# Altium PCB EDA-03518-V3-0_pcb.pcbdoc (part 2 of 14)
Units mm, origin at the board's own origin, x right, y up, seen from the top; angles counter-clockwise.
Board outline 220 x 230 mm, 8 copper layers (Top Layer, L2P, L3, L4P, L5P, L6, L7P, Bottom Layer), stack 2.18 mm thick; 1190 components, 1445 nets, 5955 pads, 2149 vias.
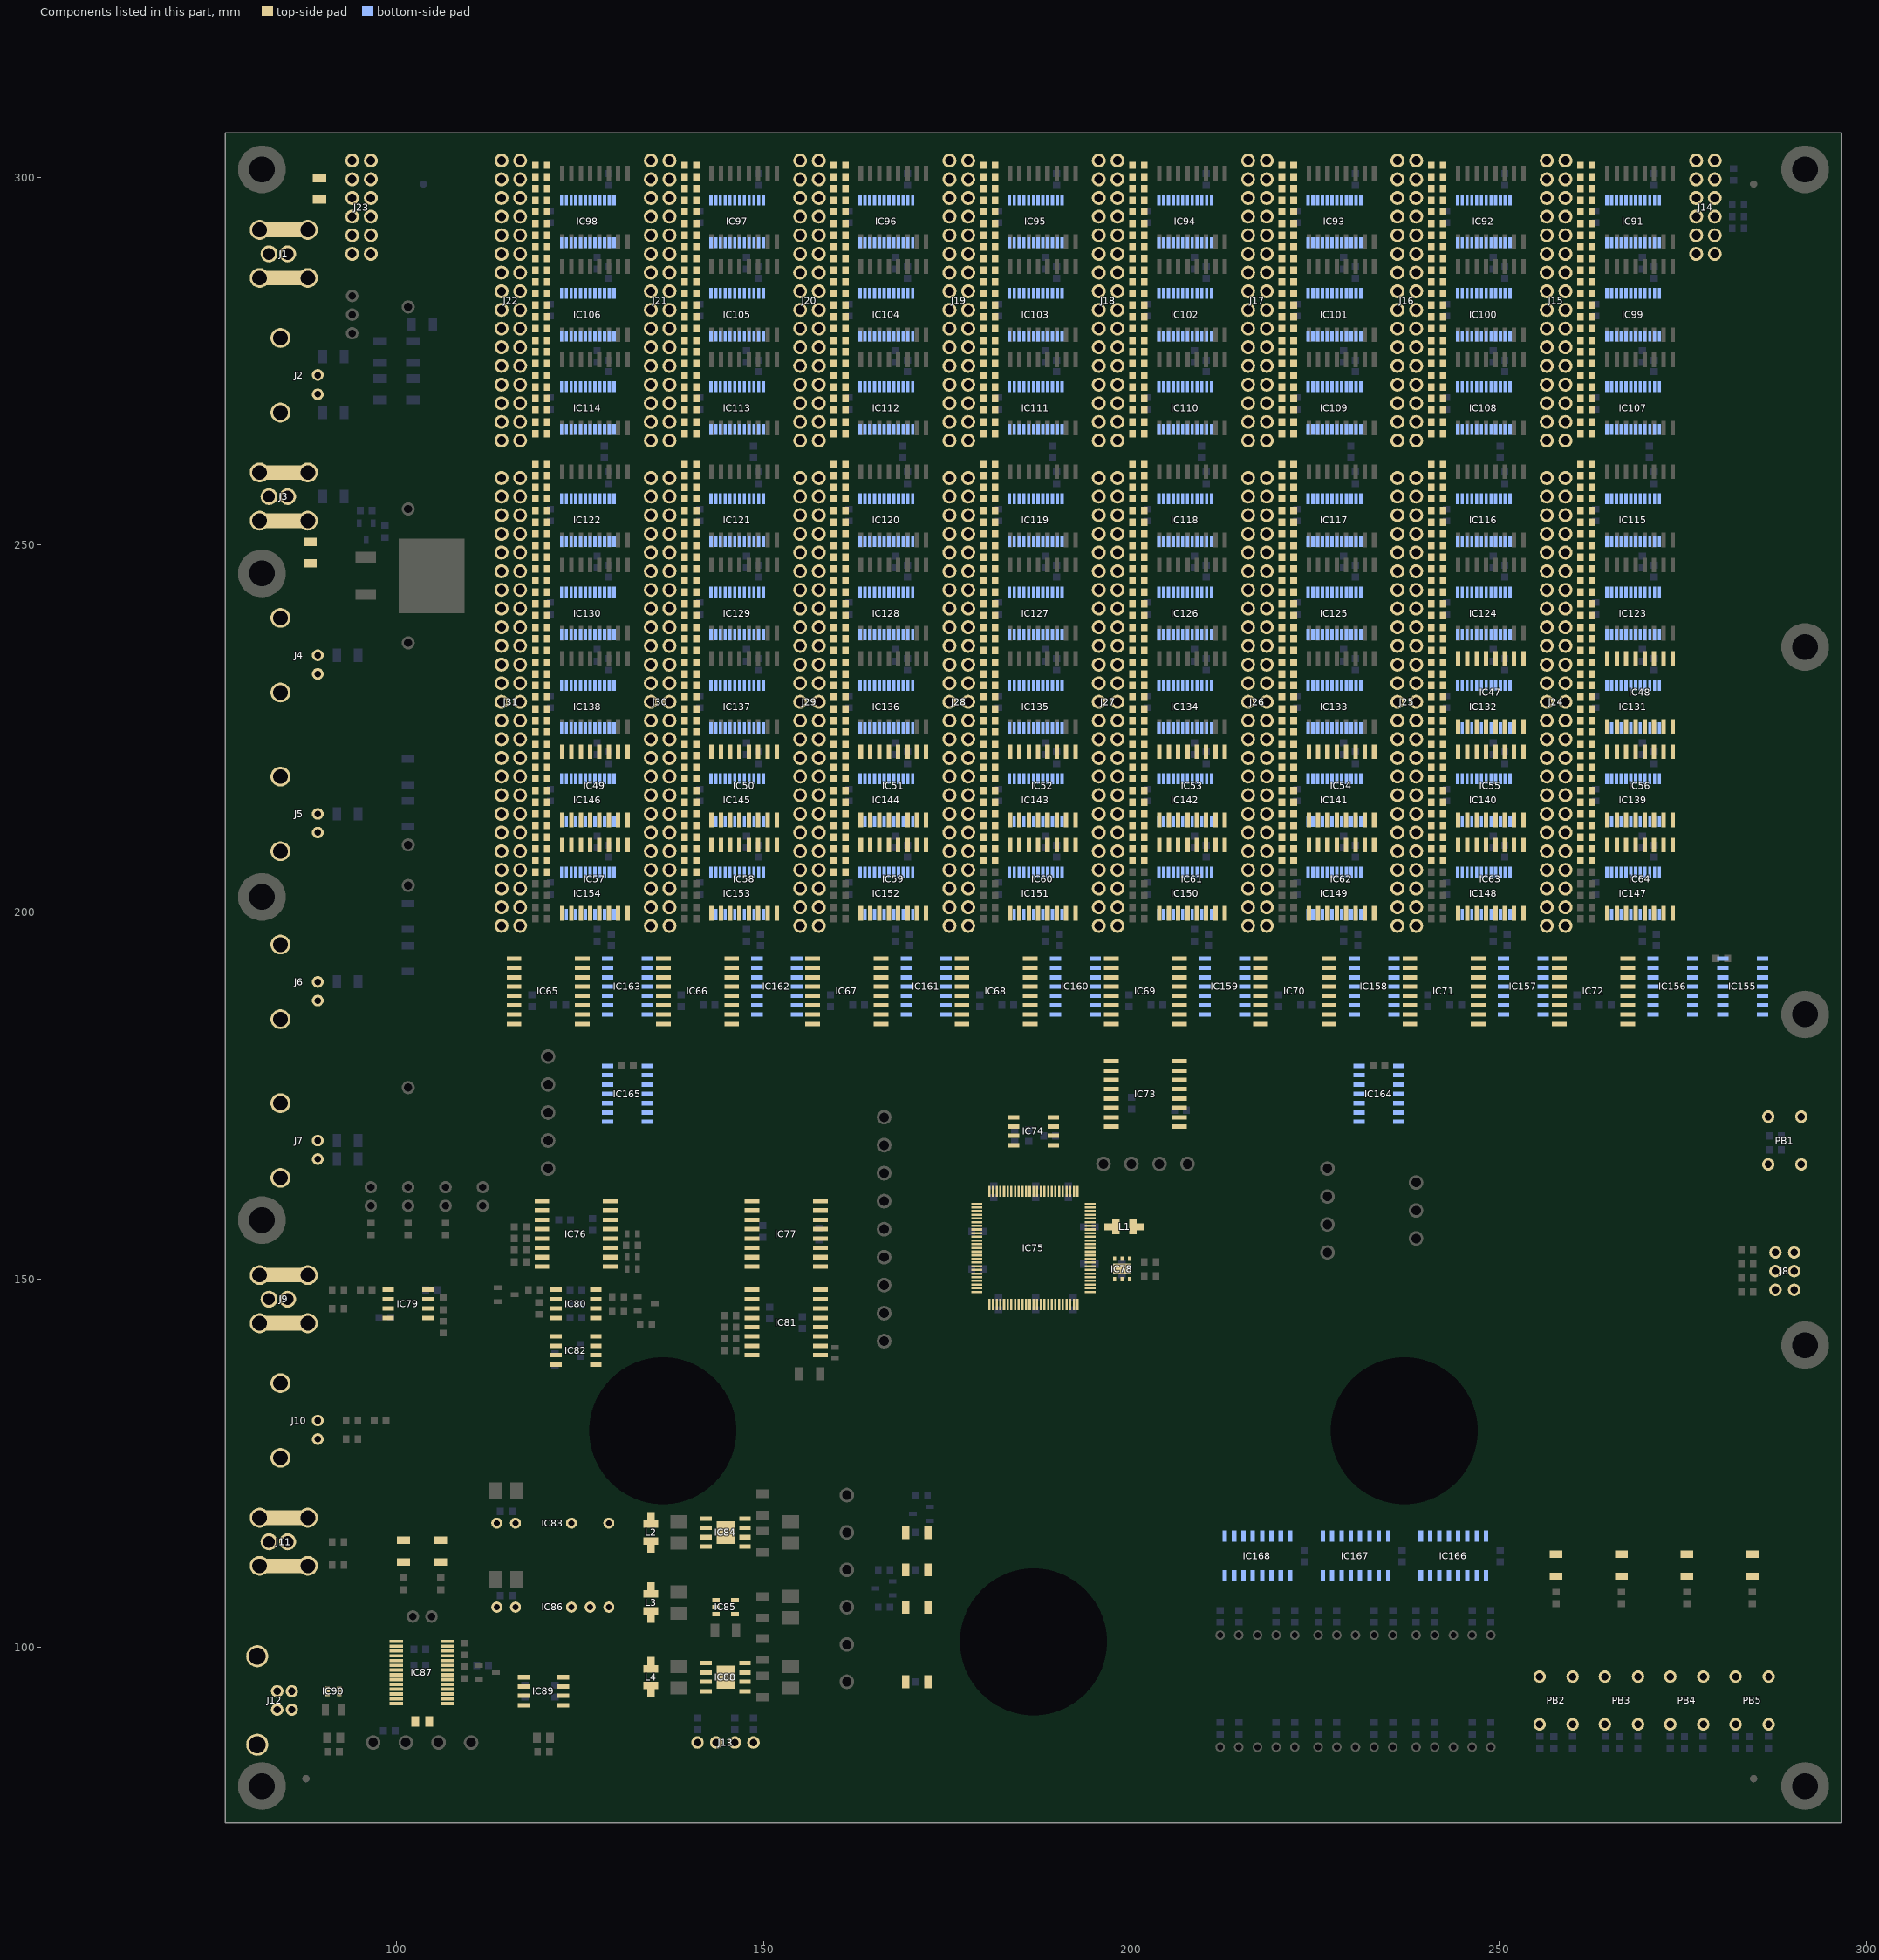
[diagram p8: the components of this part, seen from the top]

## Components (designator, comment, footprint, x,y, rotation, side; value= is the part's Value field where it differs from the comment) (continued)
IC47 "MAX328EWE+" SOIC127P1032X265-16N 248.92,229.87 r270 top (schematic designator IC23)
IC48 "MAX328EWE+" SOIC127P1032X265-16N 269.24,229.87 r270 top (schematic designator IC23)
IC49 "MAX328EWE+" SOIC127P1032X265-16N 127,217.17 r270 top (schematic designator IC23)
IC50 "MAX328EWE+" SOIC127P1032X265-16N 147.32,217.17 r270 top (schematic designator IC23)
IC51 "MAX328EWE+" SOIC127P1032X265-16N 167.64,217.17 r270 top (schematic designator IC23)
IC52 "MAX328EWE+" SOIC127P1032X265-16N 187.96,217.17 r270 top (schematic designator IC23)
IC53 "MAX328EWE+" SOIC127P1032X265-16N 208.28,217.17 r270 top (schematic designator IC23)
IC54 "MAX328EWE+" SOIC127P1032X265-16N 228.6,217.17 r270 top (schematic designator IC23)
IC55 "MAX328EWE+" SOIC127P1032X265-16N 248.92,217.17 r270 top (schematic designator IC23)
IC56 "MAX328EWE+" SOIC127P1032X265-16N 269.24,217.17 r270 top (schematic designator IC23)
IC57 "MAX328EWE+" SOIC127P1032X265-16N 127,204.47 r270 top (schematic designator IC23)
IC58 "MAX328EWE+" SOIC127P1032X265-16N 147.32,204.47 r270 top (schematic designator IC23)
IC59 "MAX328EWE+" SOIC127P1032X265-16N 167.64,204.47 r270 top (schematic designator IC23)
IC60 "MAX328EWE+" SOIC127P1032X265-16N 187.96,204.47 r270 top (schematic designator IC23)
IC61 "MAX328EWE+" SOIC127P1032X265-16N 208.28,204.47 r270 top (schematic designator IC23)
IC62 "MAX328EWE+" SOIC127P1032X265-16N 228.6,204.47 r270 top (schematic designator IC23)
IC63 "MAX328EWE+" SOIC127P1032X265-16N 248.92,204.47 r270 top (schematic designator IC23)
IC64 "MAX328EWE+" SOIC127P1032X265-16N 269.24,204.47 r270 top (schematic designator IC23)
IC65 "MAX328EWE+" SOIC127P1032X265-16N 120.65,189.23 r180 top (schematic designator IC25)
IC66 "MAX328EWE+" SOIC127P1032X265-16N 140.97,189.23 r180 top (schematic designator IC25)
IC67 "MAX328EWE+" SOIC127P1032X265-16N 161.29,189.23 r180 top (schematic designator IC25)
IC68 "MAX328EWE+" SOIC127P1032X265-16N 181.61,189.23 r180 top (schematic designator IC25)
IC69 "MAX328EWE+" SOIC127P1032X265-16N 201.93,189.23 r180 top (schematic designator IC25)
IC70 "MAX328EWE+" SOIC127P1032X265-16N 222.25,189.23 r180 top (schematic designator IC25)
IC71 "MAX328EWE+" SOIC127P1032X265-16N 242.57,189.23 r180 top (schematic designator IC25)
IC72 "MAX328EWE+" SOIC127P1032X265-16N 262.89,189.23 r180 top (schematic designator IC25)
IC73 "MAX328EWE+" SOIC127P1032X265-16N 201.93,175.26 r180 top
IC74 "ADR440BRZ" SOIC127P600X175-8N 186.69,170.18 r0 top
IC75 "ATXMEGA128A1U-AU" QFP50P1600X1600X120-100N 186.69,154.305 r270 top
IC76 "MAX328EWE+" SOIC127P1032X265-16N 124.46,156.21 r0 top
IC77 "MAX328EWE+" SOIC127P1032X265-16N 153.035,156.21 r0 top
IC78 "SHT25" SENSIRION_SHT2X 198.755,151.447 r90 top
IC79 "TL072CD" SOIC127P600X175-8N 101.6,146.685 r0 top
IC80 "TL072CD" SOIC127P600X175-8N 124.46,146.685 r0 top
IC81 "MAX328EWE+" SOIC127P1032X265-16N 153.035,144.145 r0 top
IC82 "AD795JRZ" SOIC127P600X175-8N 124.46,140.335 r0 top
IC83 "TMV 0505EN" DCDC_TRACO_TMV-EN 121.285,116.84 r0 top
IC84 "ADP7104ARDZ-R7" SOIC127P600X175-9N-R241X309 144.78,115.57 r180 top
IC85 "ADP7182AUJZ-R7" SOT95P280X90-5N 144.78,105.41 r0 top
IC86 "TMV 0515D" DCDC_TRACO_TMV-D 121.285,105.41 r0 top
IC87 "FT232RL" SOP65P780X200-28N 103.505,96.52 r180 top
IC88 "ADP7104ARDZ-R7" SOIC127P600X175-9N-R241X309 144.78,95.885 r180 top
IC89 "ISO7221AD" SOIC127P600X175-8N 120.015,93.98 r180 top
IC90 "USBLC6-2P6" SOTFL50P160X60-6N 91.44,93.98 r0 top
IC91 "ADG1414BRUZ" SOP65P640X120-24N 268.287,294.005 r90 bottom (schematic designator IC24)
IC92 "ADG1414BRUZ" SOP65P640X120-24N 247.968,294.005 r90 bottom (schematic designator IC24)
IC93 "ADG1414BRUZ" SOP65P640X120-24N 227.647,294.005 r90 bottom (schematic designator IC24)
IC94 "ADG1414BRUZ" SOP65P640X120-24N 207.327,294.005 r90 bottom (schematic designator IC24)
IC95 "ADG1414BRUZ" SOP65P640X120-24N 187.007,294.005 r90 bottom (schematic designator IC24)
IC96 "ADG1414BRUZ" SOP65P640X120-24N 166.688,294.005 r90 bottom (schematic designator IC24)
IC97 "ADG1414BRUZ" SOP65P640X120-24N 146.368,294.005 r90 bottom (schematic designator IC24)
IC98 "ADG1414BRUZ" SOP65P640X120-24N 126.047,294.005 r90 bottom (schematic designator IC24)
IC99 "ADG1414BRUZ" SOP65P640X120-24N 268.287,281.305 r90 bottom (schematic designator IC24)
IC100 "ADG1414BRUZ" SOP65P640X120-24N 247.968,281.305 r90 bottom (schematic designator IC24)
IC101 "ADG1414BRUZ" SOP65P640X120-24N 227.647,281.305 r90 bottom (schematic designator IC24)
IC102 "ADG1414BRUZ" SOP65P640X120-24N 207.327,281.305 r90 bottom (schematic designator IC24)
IC103 "ADG1414BRUZ" SOP65P640X120-24N 187.007,281.305 r90 bottom (schematic designator IC24)
IC104 "ADG1414BRUZ" SOP65P640X120-24N 166.688,281.305 r90 bottom (schematic designator IC24)
IC105 "ADG1414BRUZ" SOP65P640X120-24N 146.368,281.305 r90 bottom (schematic designator IC24)
IC106 "ADG1414BRUZ" SOP65P640X120-24N 126.047,281.305 r90 bottom (schematic designator IC24)
IC107 "ADG1414BRUZ" SOP65P640X120-24N 268.287,268.605 r90 bottom (schematic designator IC24)
IC108 "ADG1414BRUZ" SOP65P640X120-24N 247.968,268.605 r90 bottom (schematic designator IC24)
IC109 "ADG1414BRUZ" SOP65P640X120-24N 227.647,268.605 r90 bottom (schematic designator IC24)
IC110 "ADG1414BRUZ" SOP65P640X120-24N 207.327,268.605 r90 bottom (schematic designator IC24)
IC111 "ADG1414BRUZ" SOP65P640X120-24N 187.007,268.605 r90 bottom (schematic designator IC24)
IC112 "ADG1414BRUZ" SOP65P640X120-24N 166.688,268.605 r90 bottom (schematic designator IC24)
IC113 "ADG1414BRUZ" SOP65P640X120-24N 146.368,268.605 r90 bottom (schematic designator IC24)
IC114 "ADG1414BRUZ" SOP65P640X120-24N 126.047,268.605 r90 bottom (schematic designator IC24)
IC115 "ADG1414BRUZ" SOP65P640X120-24N 268.287,253.365 r90 bottom (schematic designator IC24)
IC116 "ADG1414BRUZ" SOP65P640X120-24N 247.968,253.365 r90 bottom (schematic designator IC24)
IC117 "ADG1414BRUZ" SOP65P640X120-24N 227.647,253.365 r90 bottom (schematic designator IC24)
IC118 "ADG1414BRUZ" SOP65P640X120-24N 207.327,253.365 r90 bottom (schematic designator IC24)
IC119 "ADG1414BRUZ" SOP65P640X120-24N 187.007,253.365 r90 bottom (schematic designator IC24)
IC120 "ADG1414BRUZ" SOP65P640X120-24N 166.688,253.365 r90 bottom (schematic designator IC24)
IC121 "ADG1414BRUZ" SOP65P640X120-24N 146.368,253.365 r90 bottom (schematic designator IC24)
IC122 "ADG1414BRUZ" SOP65P640X120-24N 126.047,253.365 r90 bottom (schematic designator IC24)
IC123 "ADG1414BRUZ" SOP65P640X120-24N 268.287,240.665 r90 bottom (schematic designator IC24)
IC124 "ADG1414BRUZ" SOP65P640X120-24N 247.968,240.665 r90 bottom (schematic designator IC24)
IC125 "ADG1414BRUZ" SOP65P640X120-24N 227.647,240.665 r90 bottom (schematic designator IC24)
IC126 "ADG1414BRUZ" SOP65P640X120-24N 207.327,240.665 r90 bottom (schematic designator IC24)
IC127 "ADG1414BRUZ" SOP65P640X120-24N 187.007,240.665 r90 bottom (schematic designator IC24)
IC128 "ADG1414BRUZ" SOP65P640X120-24N 166.688,240.665 r90 bottom (schematic designator IC24)
IC129 "ADG1414BRUZ" SOP65P640X120-24N 146.368,240.665 r90 bottom (schematic designator IC24)
IC130 "ADG1414BRUZ" SOP65P640X120-24N 126.047,240.665 r90 bottom (schematic designator IC24)
IC131 "ADG1414BRUZ" SOP65P640X120-24N 268.287,227.965 r90 bottom (schematic designator IC24)
IC132 "ADG1414BRUZ" SOP65P640X120-24N 247.968,227.965 r90 bottom (schematic designator IC24)
IC133 "ADG1414BRUZ" SOP65P640X120-24N 227.647,227.965 r90 bottom (schematic designator IC24)
IC134 "ADG1414BRUZ" SOP65P640X120-24N 207.327,227.965 r90 bottom (schematic designator IC24)
IC135 "ADG1414BRUZ" SOP65P640X120-24N 187.007,227.965 r90 bottom (schematic designator IC24)
IC136 "ADG1414BRUZ" SOP65P640X120-24N 166.688,227.965 r90 bottom (schematic designator IC24)
IC137 "ADG1414BRUZ" SOP65P640X120-24N 146.368,227.965 r90 bottom (schematic designator IC24)
IC138 "ADG1414BRUZ" SOP65P640X120-24N 126.047,227.965 r90 bottom (schematic designator IC24)
IC139 "ADG1414BRUZ" SOP65P640X120-24N 268.287,215.265 r90 bottom (schematic designator IC24)
IC140 "ADG1414BRUZ" SOP65P640X120-24N 247.968,215.265 r90 bottom (schematic designator IC24)
IC141 "ADG1414BRUZ" SOP65P640X120-24N 227.647,215.265 r90 bottom (schematic designator IC24)
IC142 "ADG1414BRUZ" SOP65P640X120-24N 207.327,215.265 r90 bottom (schematic designator IC24)
IC143 "ADG1414BRUZ" SOP65P640X120-24N 187.007,215.265 r90 bottom (schematic designator IC24)
IC144 "ADG1414BRUZ" SOP65P640X120-24N 166.688,215.265 r90 bottom (schematic designator IC24)
IC145 "ADG1414BRUZ" SOP65P640X120-24N 146.368,215.265 r90 bottom (schematic designator IC24)
IC146 "ADG1414BRUZ" SOP65P640X120-24N 126.047,215.265 r90 bottom (schematic designator IC24)
IC147 "ADG1414BRUZ" SOP65P640X120-24N 268.287,202.565 r90 bottom (schematic designator IC24)
IC148 "ADG1414BRUZ" SOP65P640X120-24N 247.968,202.565 r90 bottom (schematic designator IC24)
IC149 "ADG1414BRUZ" SOP65P640X120-24N 227.647,202.565 r90 bottom (schematic designator IC24)
IC150 "ADG1414BRUZ" SOP65P640X120-24N 207.327,202.565 r90 bottom (schematic designator IC24)
IC151 "ADG1414BRUZ" SOP65P640X120-24N 187.007,202.565 r90 bottom (schematic designator IC24)
IC152 "ADG1414BRUZ" SOP65P640X120-24N 166.688,202.565 r90 bottom (schematic designator IC24)
IC153 "ADG1414BRUZ" SOP65P640X120-24N 146.368,202.565 r90 bottom (schematic designator IC24)
IC154 "ADG1414BRUZ" SOP65P640X120-24N 126.047,202.565 r90 bottom (schematic designator IC24)
IC155 "74HC04D" SOIC127P600X175-14N 283.21,189.865 r180 bottom
IC156 "74HC04D" SOIC127P600X175-14N 273.685,189.865 r180 bottom (schematic designator IC354)
IC157 "74HC04D" SOIC127P600X175-14N 253.365,189.865 r180 bottom (schematic designator IC354)
IC158 "74HC04D" SOIC127P600X175-14N 233.045,189.865 r180 bottom (schematic designator IC354)
IC159 "74HC04D" SOIC127P600X175-14N 212.725,189.865 r180 bottom (schematic designator IC354)
IC160 "74HC04D" SOIC127P600X175-14N 192.405,189.865 r180 bottom (schematic designator IC354)
IC161 "74HC04D" SOIC127P600X175-14N 172.085,189.865 r180 bottom (schematic designator IC354)
IC162 "74HC04D" SOIC127P600X175-14N 151.765,189.865 r180 bottom (schematic designator IC354)
IC163 "74HC04D" SOIC127P600X175-14N 131.445,189.865 r180 bottom (schematic designator IC354)
IC164 "74HC04D" SOIC127P600X175-14N 233.68,175.26 r180 bottom
IC165 "74HC04D" SOIC127P600X175-14N 131.445,175.26 r180 bottom
IC166 "SN74HC595D" SOIC127P600X175-16N 243.84,112.395 r90 bottom
IC167 "SN74HC595D" SOIC127P600X175-16N 230.505,112.395 r90 bottom
IC168 "SN74HC595D" SOIC127P600X175-16N 217.17,112.395 r90 bottom
J1 "TRB" CINCH_CBBJR79A 85.407,289.56 r180 top
J2 "BNC" TYCO_1-1337543-0#1 83.82,273.05 r180 top
J3 "TRB" CINCH_CBBJR79A 85.407,256.54 r180 top
J4 "BNC" TYCO_1-1337543-0#2 83.82,234.95 r180 top
J5 "BNC" TYCO_1-1337543-0#2 83.82,213.36 r180 top
J6 "BNC" TYCO_1-1337543-0#2 83.82,190.5 r180 top
J7 "BNC" TYCO_1-1337543-0#2 83.82,168.91 r180 top
J8 "AVRISP" SAMTEC_MTLW-103-07-L-D-250 288.925,151.13 r90 top
J9 "TRB" CINCH_CBBJR79A 85.407,147.32 r180 top
J10 "BNC" TYCO_1-1337543-0#2 83.82,130.81 r180 top
J11 "TRB" CINCH_CBBJR79A 85.407,114.3 r180 top
J12 "USB" TYCO_292304-1 84.772,92.71 r270 top
J13 "Socket 4" SAMTEC_SSW-104-02-L-S 144.78,86.995 r180 top
J14 "Socket 12" SAMTEC_ESW-106-69-L-D 278.13,295.91 r90 bottom
J15 "Socket 32" SAMTEC_ESW-116-69-L-D 257.81,283.21 r90 bottom (schematic designator J0B)
J16 "Socket 32" SAMTEC_ESW-116-69-L-D 237.49,283.21 r90 bottom (schematic designator J0B)
J17 "Socket 32" SAMTEC_ESW-116-69-L-D 217.17,283.21 r90 bottom (schematic designator J0B)
J18 "Socket 32" SAMTEC_ESW-116-69-L-D 196.85,283.21 r90 bottom (schematic designator J0B)
J19 "Socket 32" SAMTEC_ESW-116-69-L-D 176.53,283.21 r90 bottom (schematic designator J0B)
J20 "Socket 32" SAMTEC_ESW-116-69-L-D 156.21,283.21 r90 bottom (schematic designator J0B)
J21 "Socket 32" SAMTEC_ESW-116-69-L-D 135.89,283.21 r90 bottom (schematic designator J0B)
J22 "Socket 32" SAMTEC_ESW-116-69-L-D 115.57,283.21 r90 bottom (schematic designator J0B)
J23 "Socket 12" SAMTEC_ESW-106-69-L-D 95.25,295.91 r90 bottom
J24 "Familly" SAMTEC_ESW-125-69-L-D 257.81,228.6 r90 bottom (schematic designator J0)
J25 "Familly" SAMTEC_ESW-125-69-L-D 237.49,228.6 r90 bottom (schematic designator J0)
J26 "Familly" SAMTEC_ESW-125-69-L-D 217.17,228.6 r90 bottom (schematic designator J0)
J27 "Familly" SAMTEC_ESW-125-69-L-D 196.85,228.6 r90 bottom (schematic designator J0)
J28 "Familly" SAMTEC_ESW-125-69-L-D 176.53,228.6 r90 bottom (schematic designator J0)
J29 "Familly" SAMTEC_ESW-125-69-L-D 156.21,228.6 r90 bottom (schematic designator J0)
J30 "Familly" SAMTEC_ESW-125-69-L-D 135.89,228.6 r90 bottom (schematic designator J0)
J31 "Familly" SAMTEC_ESW-125-69-L-D 115.57,228.6 r90 bottom (schematic designator J0)
L1 "10uH" IND_MURATA_LQH32C 199.072,157.162 r180 top
L2 "4.7uH" IND_MURATA_LQH32C 134.62,115.57 r270 top
L3 "4.7uH" IND_MURATA_LQH32C 134.62,106.045 r270 top
L4 "4.7uH" IND_MURATA_LQH32C 134.62,95.885 r270 top
L5 "330R@100MHz" INDC2012X110N 103.505,89.852 r0 top
LD1 "+3.3V" LED_AVAGO_HSMG-C150 170.815,115.57 r180 top
LD2 "RX" LED_AVAGO_HSMG-C150 100.965,113.03 r90 top
LD3 "TX" LED_AVAGO_HSMY-C150 106.045,113.03 r90 top
LD4 "HV" LED_AVAGO_HSMC-C150 257.81,111.125 r270 top
LD5 "STATUS" LED_AVAGO_HSMG-C150 266.7,111.125 r270 top
LD6 "IV" LED_AVAGO_HSMY-C150 275.59,111.125 r270 top
LD7 "CV" LED_AVAGO_HSMY-C150 284.48,111.125 r270 top
LD8 "+5V" LED_AVAGO_HSMG-C150 170.815,110.49 r180 top
LD9 "-15V" LED_AVAGO_HSMG-C150 170.815,105.41 r180 top
LD10 "+15V" LED_AVAGO_HSMG-C150 170.815,95.25 r180 top
PB1 "RESET" PB_ALPS_SKHHDTA010 288.925,168.91 r270 top
PB2 "LED" PB_ALPS_SKHHDTA010 257.81,92.71 r270 top
PB3 "PREV" PB_ALPS_SKHHDTA010 266.7,92.71 r270 top
PB4 "NEXT" PB_ALPS_SKHHDTA010 275.59,92.71 r270 top
PB5 "MODE" PB_ALPS_SKHHDTA010 284.48,92.71 r270 top
R1 "10k" RESC1608X55N 119.697,301.625 r0 top (schematic designator R5)
R2 "10k" RESC1608X55N 140.017,301.625 r0 top (schematic designator R5)
R3 "10k" RESC1608X55N 160.338,301.625 r0 top (schematic designator R5)
R4 "10k" RESC1608X55N 180.657,301.625 r0 top (schematic designator R5)
R5 "10k" RESC1608X55N 200.977,301.625 r0 top
R6 "10k" RESC1608X55N 221.297,301.625 r0 top (schematic designator R5)
R7 "10k" RESC1608X55N 241.617,301.625 r0 top (schematic designator R5)
R8 "10k" RESC1608X55N 261.938,301.625 r0 top (schematic designator R5)
R9 "10k" RESC1608X55N 119.697,300.037 r0 top (schematic designator R568)
R10 "10k" RESC1608X55N 140.017,300.037 r0 top (schematic designator R568)
R11 "10k" RESC1608X55N 160.338,300.037 r0 top (schematic designator R568)
R12 "10k" RESC1608X55N 180.657,300.037 r0 top (schematic designator R568)
R13 "10k" RESC1608X55N 200.977,300.037 r0 top (schematic designator R568)
R14 "10k" RESC1608X55N 221.297,300.037 r0 top (schematic designator R568)
R15 "10k" RESC1608X55N 241.617,300.037 r0 top (schematic designator R568)
R16 "10k" RESC1608X55N 261.938,300.037 r0 top (schematic designator R568)
R17 "0" RESC3216X65N 89.535,298.45 r270 top
R18 "10k" RESC1608X55N 119.697,298.45 r0 top (schematic designator R564)
R19 "10k" RESC1608X55N 140.017,298.45 r0 top (schematic designator R564)
R20 "10k" RESC1608X55N 160.338,298.45 r0 top (schematic designator R564)
R21 "10k" RESC1608X55N 180.657,298.45 r0 top (schematic designator R564)
R22 "10k" RESC1608X55N 200.977,298.45 r0 top (schematic designator R564)
R23 "10k" RESC1608X55N 221.297,298.45 r0 top (schematic designator R564)
R24 "10k" RESC1608X55N 241.617,298.45 r0 top (schematic designator R564)
R25 "10k" RESC1608X55N 261.938,298.45 r0 top (schematic designator R564)
R26 "10k" RESC1608X55N 119.697,296.863 r0 top (schematic designator R565)
R27 "10k" RESC1608X55N 140.017,296.863 r0 top (schematic designator R565)
R28 "10k" RESC1608X55N 160.338,296.863 r0 top (schematic designator R565)
R29 "10k" RESC1608X55N 180.657,296.863 r0 top (schematic designator R565)
R30 "10k" RESC1608X55N 200.977,296.863 r0 top (schematic designator R565)
R31 "10k" RESC1608X55N 221.297,296.863 r0 top (schematic designator R565)
R32 "10k" RESC1608X55N 241.617,296.863 r0 top (schematic designator R565)
R33 "10k" RESC1608X55N 261.938,296.863 r0 top (schematic designator R565)
R34 "10k" RESC1608X55N 119.697,295.275 r0 top (schematic designator R555)
R35 "10k" RESC1608X55N 140.017,295.275 r0 top (schematic designator R555)
R36 "10k" RESC1608X55N 160.338,295.275 r0 top (schematic designator R555)
R37 "10k" RESC1608X55N 180.657,295.275 r0 top (schematic designator R555)
R38 "10k" RESC1608X55N 200.977,295.275 r0 top (schematic designator R555)
R39 "10k" RESC1608X55N 221.297,295.275 r0 top (schematic designator R555)
R40 "10k" RESC1608X55N 241.617,295.275 r0 top (schematic designator R555)
R41 "10k" RESC1608X55N 261.938,295.275 r0 top (schematic designator R555)
R42 "10k" RESC1608X55N 119.697,293.688 r0 top (schematic designator R800)
R43 "10k" RESC1608X55N 140.017,293.688 r0 top (schematic designator R800)
R44 "10k" RESC1608X55N 160.338,293.688 r0 top (schematic designator R800)
R45 "10k" RESC1608X55N 180.657,293.688 r0 top (schematic designator R800)
R46 "10k" RESC1608X55N 200.977,293.688 r0 top (schematic designator R800)
R47 "10k" RESC1608X55N 221.297,293.688 r0 top (schematic designator R800)
R48 "10k" RESC1608X55N 241.617,293.688 r0 top (schematic designator R800)
R49 "10k" RESC1608X55N 261.938,293.688 r0 top (schematic designator R800)
R50 "10k" RESC1608X55N 119.697,292.1 r0 top (schematic designator R556)
R51 "10k" RESC1608X55N 140.017,292.1 r0 top (schematic designator R556)
R52 "10k" RESC1608X55N 160.338,292.1 r0 top (schematic designator R556)
R53 "10k" RESC1608X55N 180.657,292.1 r0 top (schematic designator R556)
R54 "10k" RESC1608X55N 200.977,292.1 r0 top (schematic designator R556)
R55 "10k" RESC1608X55N 221.297,292.1 r0 top (schematic designator R556)
R56 "10k" RESC1608X55N 241.617,292.1 r0 top (schematic designator R556)
R57 "10k" RESC1608X55N 261.938,292.1 r0 top (schematic designator R556)
R58 "10k" RESC1608X55N 119.697,290.512 r0 top (schematic designator R0)
R59 "10k" RESC1608X55N 140.017,290.512 r0 top (schematic designator R0)
R60 "10k" RESC1608X55N 160.338,290.512 r0 top (schematic designator R0)
R61 "10k" RESC1608X55N 180.657,290.512 r0 top (schematic designator R0)
R62 "10k" RESC1608X55N 200.977,290.512 r0 top (schematic designator R0)
R63 "10k" RESC1608X55N 221.297,290.512 r0 top (schematic designator R0)
R64 "10k" RESC1608X55N 241.617,290.512 r0 top (schematic designator R0)
R65 "10k" RESC1608X55N 261.938,290.512 r0 top (schematic designator R0)
R66 "10k" RESC1608X55N 119.697,288.925 r0 top (schematic designator R5)
R67 "10k" RESC1608X55N 140.017,288.925 r0 top (schematic designator R5)
R68 "10k" RESC1608X55N 160.338,288.925 r0 top (schematic designator R5)
R69 "10k" RESC1608X55N 180.657,288.925 r0 top (schematic designator R5)
R70 "10k" RESC1608X55N 200.977,288.925 r0 top (schematic designator R5)
R71 "10k" RESC1608X55N 221.297,288.925 r0 top (schematic designator R5)
R72 "10k" RESC1608X55N 241.617,288.925 r0 top (schematic designator R5)
R73 "10k" RESC1608X55N 261.938,288.925 r0 top (schematic designator R5)
R74 "10k" RESC1608X55N 119.697,287.337 r0 top (schematic designator R568)
R75 "10k" RESC1608X55N 140.017,287.337 r0 top (schematic designator R568)
R76 "10k" RESC1608X55N 160.338,287.337 r0 top (schematic designator R568)
R77 "10k" RESC1608X55N 180.657,287.337 r0 top (schematic designator R568)
R78 "10k" RESC1608X55N 200.977,287.337 r0 top (schematic designator R568)
R79 "10k" RESC1608X55N 221.297,287.337 r0 top (schematic designator R568)
R80 "10k" RESC1608X55N 241.617,287.337 r0 top (schematic designator R568)
R81 "10k" RESC1608X55N 261.938,287.337 r0 top (schematic designator R568)
R82 "10k" RESC1608X55N 119.697,285.75 r0 top (schematic designator R564)
R83 "10k" RESC1608X55N 140.017,285.75 r0 top (schematic designator R564)
R84 "10k" RESC1608X55N 160.338,285.75 r0 top (schematic designator R564)
R85 "10k" RESC1608X55N 180.657,285.75 r0 top (schematic designator R564)
R86 "10k" RESC1608X55N 200.977,285.75 r0 top (schematic designator R564)
R87 "10k" RESC1608X55N 221.297,285.75 r0 top (schematic designator R564)
R88 "10k" RESC1608X55N 241.617,285.75 r0 top (schematic designator R564)
R89 "10k" RESC1608X55N 261.938,285.75 r0 top (schematic designator R564)
R90 "10k" RESC1608X55N 119.697,284.162 r0 top (schematic designator R565)
R91 "10k" RESC1608X55N 140.017,284.162 r0 top (schematic designator R565)
R92 "10k" RESC1608X55N 160.338,284.162 r0 top (schematic designator R565)
R93 "10k" RESC1608X55N 180.657,284.162 r0 top (schematic designator R565)
R94 "10k" RESC1608X55N 200.977,284.162 r0 top (schematic designator R565)
R95 "10k" RESC1608X55N 221.297,284.162 r0 top (schematic designator R565)
R96 "10k" RESC1608X55N 241.617,284.162 r0 top (schematic designator R565)
R97 "10k" RESC1608X55N 261.938,284.162 r0 top (schematic designator R565)
R98 "10k" RESC1608X55N 119.697,282.575 r0 top (schematic designator R555)
R99 "10k" RESC1608X55N 140.017,282.575 r0 top (schematic designator R555)
R100 "10k" RESC1608X55N 160.338,282.575 r0 top (schematic designator R555)
R101 "10k" RESC1608X55N 180.657,282.575 r0 top (schematic designator R555)
R102 "10k" RESC1608X55N 200.977,282.575 r0 top (schematic designator R555)
R103 "10k" RESC1608X55N 221.297,282.575 r0 top (schematic designator R555)
R104 "10k" RESC1608X55N 241.617,282.575 r0 top (schematic designator R555)
R105 "10k" RESC1608X55N 261.938,282.575 r0 top (schematic designator R555)
R106 "10k" RESC1608X55N 119.697,280.988 r0 top (schematic designator R800)
R107 "10k" RESC1608X55N 140.017,280.988 r0 top (schematic designator R800)
R108 "10k" RESC1608X55N 160.338,280.988 r0 top (schematic designator R800)
R109 "10k" RESC1608X55N 180.657,280.988 r0 top (schematic designator R800)
R110 "10k" RESC1608X55N 200.977,280.988 r0 top (schematic designator R800)
R111 "10k" RESC1608X55N 221.297,280.988 r0 top (schematic designator R800)
R112 "10k" RESC1608X55N 241.617,280.988 r0 top (schematic designator R800)
R113 "10k" RESC1608X55N 261.938,280.988 r0 top (schematic designator R800)
R114 "10k" RESC1608X55N 119.697,279.4 r0 top (schematic designator R556)
R115 "10k" RESC1608X55N 140.017,279.4 r0 top (schematic designator R556)
R116 "10k" RESC1608X55N 160.338,279.4 r0 top (schematic designator R556)
R117 "10k" RESC1608X55N 180.657,279.4 r0 top (schematic designator R556)
R118 "10k" RESC1608X55N 200.977,279.4 r0 top (schematic designator R556)
R119 "10k" RESC1608X55N 221.297,279.4 r0 top (schematic designator R556)
R120 "10k" RESC1608X55N 241.617,279.4 r0 top (schematic designator R556)
R121 "10k" RESC1608X55N 261.938,279.4 r0 top (schematic designator R556)
R122 "10k" RESC1608X55N 119.697,277.812 r0 top (schematic designator R0)
R123 "10k" RESC1608X55N 140.017,277.812 r0 top (schematic designator R0)
R124 "10k" RESC1608X55N 160.338,277.812 r0 top (schematic designator R0)
R125 "10k" RESC1608X55N 180.657,277.812 r0 top (schematic designator R0)
R126 "10k" RESC1608X55N 200.977,277.812 r0 top (schematic designator R0)
R127 "10k" RESC1608X55N 221.297,277.812 r0 top (schematic designator R0)
R128 "10k" RESC1608X55N 241.617,277.812 r0 top (schematic designator R0)
R129 "10k" RESC1608X55N 261.938,277.812 r0 top (schematic designator R0)
R130 "10k" RESC1608X55N 119.697,276.225 r0 top (schematic designator R5)
R131 "10k" RESC1608X55N 140.017,276.225 r0 top (schematic designator R5)
R132 "10k" RESC1608X55N 160.338,276.225 r0 top (schematic designator R5)
R133 "10k" RESC1608X55N 180.657,276.225 r0 top (schematic designator R5)
R134 "10k" RESC1608X55N 200.977,276.225 r0 top (schematic designator R5)
R135 "10k" RESC1608X55N 221.297,276.225 r0 top (schematic designator R5)
R136 "10k" RESC1608X55N 241.617,276.225 r0 top (schematic designator R5)
R137 "10k" RESC1608X55N 261.938,276.225 r0 top (schematic designator R5)
R138 "10k" RESC1608X55N 119.697,274.637 r0 top (schematic designator R568)
R139 "10k" RESC1608X55N 140.017,274.637 r0 top (schematic designator R568)
R140 "10k" RESC1608X55N 160.338,274.637 r0 top (schematic designator R568)
R141 "10k" RESC1608X55N 180.657,274.637 r0 top (schematic designator R568)
R142 "10k" RESC1608X55N 200.977,274.637 r0 top (schematic designator R568)
R143 "10k" RESC1608X55N 221.297,274.637 r0 top (schematic designator R568)
R144 "10k" RESC1608X55N 241.617,274.637 r0 top (schematic designator R568)
R145 "10k" RESC1608X55N 261.938,274.637 r0 top (schematic designator R568)
R146 "10k" RESC1608X55N 119.697,273.05 r0 top (schematic designator R564)
R147 "10k" RESC1608X55N 140.017,273.05 r0 top (schematic designator R564)
R148 "10k" RESC1608X55N 160.338,273.05 r0 top (schematic designator R564)
R149 "10k" RESC1608X55N 180.657,273.05 r0 top (schematic designator R564)
R150 "10k" RESC1608X55N 200.977,273.05 r0 top (schematic designator R564)
R151 "10k" RESC1608X55N 221.297,273.05 r0 top (schematic designator R564)
R152 "10k" RESC1608X55N 241.617,273.05 r0 top (schematic designator R564)
R153 "10k" RESC1608X55N 261.938,273.05 r0 top (schematic designator R564)
R154 "10k" RESC1608X55N 119.697,271.462 r0 top (schematic designator R565)
R155 "10k" RESC1608X55N 140.017,271.462 r0 top (schematic designator R565)
R156 "10k" RESC1608X55N 160.338,271.462 r0 top (schematic designator R565)
R157 "10k" RESC1608X55N 180.657,271.462 r0 top (schematic designator R565)
R158 "10k" RESC1608X55N 200.977,271.462 r0 top (schematic designator R565)
R159 "10k" RESC1608X55N 221.297,271.462 r0 top (schematic designator R565)
R160 "10k" RESC1608X55N 241.617,271.462 r0 top (schematic designator R565)
R161 "10k" RESC1608X55N 261.938,271.462 r0 top (schematic designator R565)
R162 "10k" RESC1608X55N 119.697,269.875 r0 top (schematic designator R555)
R163 "10k" RESC1608X55N 140.017,269.875 r0 top (schematic designator R555)
R164 "10k" RESC1608X55N 160.338,269.875 r0 top (schematic designator R555)
R165 "10k" RESC1608X55N 180.657,269.875 r0 top (schematic designator R555)
R166 "10k" RESC1608X55N 200.977,269.875 r0 top (schematic designator R555)
R167 "10k" RESC1608X55N 221.297,269.875 r0 top (schematic designator R555)
R168 "10k" RESC1608X55N 241.617,269.875 r0 top (schematic designator R555)
R169 "10k" RESC1608X55N 261.938,269.875 r0 top (schematic designator R555)
R170 "10k" RESC1608X55N 119.697,268.287 r0 top (schematic designator R800)
R171 "10k" RESC1608X55N 140.017,268.287 r0 top (schematic designator R800)
R172 "10k" RESC1608X55N 160.338,268.287 r0 top (schematic designator R800)
R173 "10k" RESC1608X55N 180.657,268.287 r0 top (schematic designator R800)
R174 "10k" RESC1608X55N 200.977,268.287 r0 top (schematic designator R800)
R175 "10k" RESC1608X55N 221.297,268.287 r0 top (schematic designator R800)
R176 "10k" RESC1608X55N 241.617,268.287 r0 top (schematic designator R800)
R177 "10k" RESC1608X55N 261.938,268.287 r0 top (schematic designator R800)
R178 "10k" RESC1608X55N 119.697,266.7 r0 top (schematic designator R556)
R179 "10k" RESC1608X55N 140.017,266.7 r0 top (schematic designator R556)
R180 "10k" RESC1608X55N 160.338,266.7 r0 top (schematic designator R556)
R181 "10k" RESC1608X55N 180.657,266.7 r0 top (schematic designator R556)
R182 "10k" RESC1608X55N 200.977,266.7 r0 top (schematic designator R556)
R183 "10k" RESC1608X55N 221.297,266.7 r0 top (schematic designator R556)
R184 "10k" RESC1608X55N 241.617,266.7 r0 top (schematic designator R556)
R185 "10k" RESC1608X55N 261.938,266.7 r0 top (schematic designator R556)
R186 "10k" RESC1608X55N 119.697,265.113 r0 top (schematic designator R0)
R187 "10k" RESC1608X55N 140.017,265.113 r0 top (schematic designator R0)
R188 "10k" RESC1608X55N 160.338,265.113 r0 top (schematic designator R0)
R189 "10k" RESC1608X55N 180.657,265.113 r0 top (schematic designator R0)
R190 "10k" RESC1608X55N 200.977,265.113 r0 top (schematic designator R0)
R191 "10k" RESC1608X55N 221.297,265.113 r0 top (schematic designator R0)
R192 "10k" RESC1608X55N 241.617,265.113 r0 top (schematic designator R0)
R193 "10k" RESC1608X55N 261.938,265.113 r0 top (schematic designator R0)
R194 "10k" RESC1608X55N 119.697,260.985 r0 top (schematic designator R5)
R195 "10k" RESC1608X55N 140.017,260.985 r0 top (schematic designator R5)
R196 "10k" RESC1608X55N 160.338,260.985 r0 top (schematic designator R5)
R197 "10k" RESC1608X55N 180.657,260.985 r0 top (schematic designator R5)
R198 "10k" RESC1608X55N 200.977,260.985 r0 top (schematic designator R5)
R199 "10k" RESC1608X55N 221.297,260.985 r0 top (schematic designator R5)
R200 "10k" RESC1608X55N 241.617,260.985 r0 top (schematic designator R5)
R201 "10k" RESC1608X55N 261.938,260.985 r0 top (schematic designator R5)
R202 "10k" RESC1608X55N 119.697,259.397 r0 top (schematic designator R568)
R203 "10k" RESC1608X55N 140.017,259.397 r0 top (schematic designator R568)
R204 "10k" RESC1608X55N 160.338,259.397 r0 top (schematic designator R568)
R205 "10k" RESC1608X55N 180.657,259.397 r0 top (schematic designator R568)
R206 "10k" RESC1608X55N 200.977,259.397 r0 top (schematic designator R568)
R207 "10k" RESC1608X55N 221.297,259.397 r0 top (schematic designator R568)
R208 "10k" RESC1608X55N 241.617,259.397 r0 top (schematic designator R568)
R209 "10k" RESC1608X55N 261.938,259.397 r0 top (schematic designator R568)
R210 "10k" RESC1608X55N 119.697,257.81 r0 top (schematic designator R564)
R211 "10k" RESC1608X55N 140.017,257.81 r0 top (schematic designator R564)
R212 "10k" RESC1608X55N 160.338,257.81 r0 top (schematic designator R564)
R213 "10k" RESC1608X55N 180.657,257.81 r0 top (schematic designator R564)
R214 "10k" RESC1608X55N 200.977,257.81 r0 top (schematic designator R564)
R215 "10k" RESC1608X55N 221.297,257.81 r0 top (schematic designator R564)
R216 "10k" RESC1608X55N 241.617,257.81 r0 top (schematic designator R564)
R217 "10k" RESC1608X55N 261.938,257.81 r0 top (schematic designator R564)
R218 "10k" RESC1608X55N 119.697,256.222 r0 top (schematic designator R565)
R219 "10k" RESC1608X55N 140.017,256.222 r0 top (schematic designator R565)
R220 "10k" RESC1608X55N 160.338,256.222 r0 top (schematic designator R565)
R221 "10k" RESC1608X55N 180.657,256.222 r0 top (schematic designator R565)
R222 "10k" RESC1608X55N 200.977,256.222 r0 top (schematic designator R565)
R223 "10k" RESC1608X55N 221.297,256.222 r0 top (schematic designator R565)
R224 "10k" RESC1608X55N 241.617,256.222 r0 top (schematic designator R565)
R225 "10k" RESC1608X55N 261.938,256.222 r0 top (schematic designator R565)
R226 "10k" RESC1608X55N 119.697,254.635 r0 top (schematic designator R555)
R227 "10k" RESC1608X55N 140.017,254.635 r0 top (schematic designator R555)
R228 "10k" RESC1608X55N 160.338,254.635 r0 top (schematic designator R555)
R229 "10k" RESC1608X55N 180.657,254.635 r0 top (schematic designator R555)
R230 "10k" RESC1608X55N 200.977,254.635 r0 top (schematic designator R555)
R231 "10k" RESC1608X55N 221.297,254.635 r0 top (schematic designator R555)
R232 "10k" RESC1608X55N 241.617,254.635 r0 top (schematic designator R555)
R233 "10k" RESC1608X55N 261.938,254.635 r0 top (schematic designator R555)
R234 "10k" RESC1608X55N 119.697,253.047 r0 top (schematic designator R800)
R235 "10k" RESC1608X55N 140.017,253.047 r0 top (schematic designator R800)
R236 "10k" RESC1608X55N 160.338,253.047 r0 top (schematic designator R800)
R237 "10k" RESC1608X55N 180.657,253.047 r0 top (schematic designator R800)
R238 "10k" RESC1608X55N 200.977,253.047 r0 top (schematic designator R800)
R239 "10k" RESC1608X55N 221.297,253.047 r0 top (schematic designator R800)
R240 "10k" RESC1608X55N 241.617,253.047 r0 top (schematic designator R800)
R241 "10k" RESC1608X55N 261.938,253.047 r0 top (schematic designator R800)
R242 "10k" RESC1608X55N 119.697,251.46 r0 top (schematic designator R556)
R243 "10k" RESC1608X55N 140.017,251.46 r0 top (schematic designator R556)
R244 "10k" RESC1608X55N 160.338,251.46 r0 top (schematic designator R556)
R245 "10k" RESC1608X55N 180.657,251.46 r0 top (schematic designator R556)
R246 "10k" RESC1608X55N 200.977,251.46 r0 top (schematic designator R556)
R247 "10k" RESC1608X55N 221.297,251.46 r0 top (schematic designator R556)
R248 "10k" RESC1608X55N 241.617,251.46 r0 top (schematic designator R556)
R249 "10k" RESC1608X55N 261.938,251.46 r0 top (schematic designator R556)
R250 "0" RESC3216X65N 88.265,248.92 r90 top
R251 "10k" RESC1608X55N 119.697,249.873 r0 top (schematic designator R0)
R252 "10k" RESC1608X55N 140.017,249.873 r0 top (schematic designator R0)
R253 "10k" RESC1608X55N 160.338,249.873 r0 top (schematic designator R0)
R254 "10k" RESC1608X55N 180.657,249.873 r0 top (schematic designator R0)
R255 "10k" RESC1608X55N 200.977,249.873 r0 top (schematic designator R0)
R256 "10k" RESC1608X55N 221.297,249.873 r0 top (schematic designator R0)
R257 "10k" RESC1608X55N 241.617,249.873 r0 top (schematic designator R0)
R258 "10k" RESC1608X55N 261.938,249.873 r0 top (schematic designator R0)
R259 "10k" RESC1608X55N 119.697,248.285 r0 top (schematic designator R5)
R260 "10k" RESC1608X55N 140.017,248.285 r0 top (schematic designator R5)
R261 "10k" RESC1608X55N 160.338,248.285 r0 top (schematic designator R5)
R262 "10k" RESC1608X55N 180.657,248.285 r0 top (schematic designator R5)
R263 "10k" RESC1608X55N 200.977,248.285 r0 top (schematic designator R5)
R264 "10k" RESC1608X55N 221.297,248.285 r0 top (schematic designator R5)
R265 "10k" RESC1608X55N 241.617,248.285 r0 top (schematic designator R5)
R266 "10k" RESC1608X55N 261.938,248.285 r0 top (schematic designator R5)
R267 "10k" RESC1608X55N 119.697,246.697 r0 top (schematic designator R568)
R268 "10k" RESC1608X55N 140.017,246.697 r0 top (schematic designator R568)
R269 "10k" RESC1608X55N 160.338,246.697 r0 top (schematic designator R568)
R270 "10k" RESC1608X55N 180.657,246.697 r0 top (schematic designator R568)
R271 "10k" RESC1608X55N 200.977,246.697 r0 top (schematic designator R568)
R272 "10k" RESC1608X55N 221.297,246.697 r0 top (schematic designator R568)
R273 "10k" RESC1608X55N 241.617,246.697 r0 top (schematic designator R568)
R274 "10k" RESC1608X55N 261.938,246.697 r0 top (schematic designator R568)
R275 "10k" RESC1608X55N 119.697,245.11 r0 top (schematic designator R564)
R276 "10k" RESC1608X55N 140.017,245.11 r0 top (schematic designator R564)
R277 "10k" RESC1608X55N 160.338,245.11 r0 top (schematic designator R564)
R278 "10k" RESC1608X55N 180.657,245.11 r0 top (schematic designator R564)
R279 "10k" RESC1608X55N 200.977,245.11 r0 top (schematic designator R564)
R280 "10k" RESC1608X55N 221.297,245.11 r0 top (schematic designator R564)
R281 "10k" RESC1608X55N 241.617,245.11 r0 top (schematic designator R564)
R282 "10k" RESC1608X55N 261.938,245.11 r0 top (schematic designator R564)
R283 "10k" RESC1608X55N 119.697,243.522 r0 top (schematic designator R565)
R284 "10k" RESC1608X55N 140.017,243.522 r0 top (schematic designator R565)
R285 "10k" RESC1608X55N 160.338,243.522 r0 top (schematic designator R565)
R286 "10k" RESC1608X55N 180.657,243.522 r0 top (schematic designator R565)
R287 "10k" RESC1608X55N 200.977,243.522 r0 top (schematic designator R565)
R288 "10k" RESC1608X55N 221.297,243.522 r0 top (schematic designator R565)
R289 "10k" RESC1608X55N 241.617,243.522 r0 top (schematic designator R565)
R290 "10k" RESC1608X55N 261.938,243.522 r0 top (schematic designator R565)
R291 "10k" RESC1608X55N 119.697,241.935 r0 top (schematic designator R555)
R292 "10k" RESC1608X55N 140.017,241.935 r0 top (schematic designator R555)
R293 "10k" RESC1608X55N 160.338,241.935 r0 top (schematic designator R555)
R294 "10k" RESC1608X55N 180.657,241.935 r0 top (schematic designator R555)
R295 "10k" RESC1608X55N 200.977,241.935 r0 top (schematic designator R555)
R296 "10k" RESC1608X55N 221.297,241.935 r0 top (schematic designator R555)
R297 "10k" RESC1608X55N 241.617,241.935 r0 top (schematic designator R555)
R298 "10k" RESC1608X55N 261.938,241.935 r0 top (schematic designator R555)
R299 "10k" RESC1608X55N 119.697,240.347 r0 top (schematic designator R800)
R300 "10k" RESC1608X55N 140.017,240.347 r0 top (schematic designator R800)
R301 "10k" RESC1608X55N 160.338,240.347 r0 top (schematic designator R800)
R302 "10k" RESC1608X55N 180.657,240.347 r0 top (schematic designator R800)
R303 "10k" RESC1608X55N 200.977,240.347 r0 top (schematic designator R800)
R304 "10k" RESC1608X55N 221.297,240.347 r0 top (schematic designator R800)
R305 "10k" RESC1608X55N 241.617,240.347 r0 top (schematic designator R800)
R306 "10k" RESC1608X55N 261.938,240.347 r0 top (schematic designator R800)
R307 "10k" RESC1608X55N 119.697,238.76 r0 top (schematic designator R556)
R308 "10k" RESC1608X55N 140.017,238.76 r0 top (schematic designator R556)
R309 "10k" RESC1608X55N 160.338,238.76 r0 top (schematic designator R556)
R310 "10k" RESC1608X55N 180.657,238.76 r0 top (schematic designator R556)
R311 "10k" RESC1608X55N 200.977,238.76 r0 top (schematic designator R556)
R312 "10k" RESC1608X55N 221.297,238.76 r0 top (schematic designator R556)
R313 "10k" RESC1608X55N 241.617,238.76 r0 top (schematic designator R556)
R314 "10k" RESC1608X55N 261.938,238.76 r0 top (schematic designator R556)
R315 "10k" RESC1608X55N 119.697,237.172 r0 top (schematic designator R0)
R316 "10k" RESC1608X55N 140.017,237.172 r0 top (schematic designator R0)
R317 "10k" RESC1608X55N 160.338,237.172 r0 top (schematic designator R0)
R318 "10k" RESC1608X55N 180.657,237.172 r0 top (schematic designator R0)
R319 "10k" RESC1608X55N 200.977,237.172 r0 top (schematic designator R0)
R320 "10k" RESC1608X55N 221.297,237.172 r0 top (schematic designator R0)
R321 "10k" RESC1608X55N 241.617,237.172 r0 top (schematic designator R0)
R322 "10k" RESC1608X55N 261.938,237.172 r0 top (schematic designator R0)
R323 "10k" RESC1608X55N 119.697,235.585 r0 top (schematic designator R5)
R324 "10k" RESC1608X55N 140.017,235.585 r0 top (schematic designator R5)
R325 "10k" RESC1608X55N 160.338,235.585 r0 top (schematic designator R5)
R326 "10k" RESC1608X55N 180.657,235.585 r0 top (schematic designator R5)
R327 "10k" RESC1608X55N 200.977,235.585 r0 top (schematic designator R5)
R328 "10k" RESC1608X55N 221.297,235.585 r0 top (schematic designator R5)
R329 "10k" RESC1608X55N 241.617,235.585 r0 top (schematic designator R5)
R330 "10k" RESC1608X55N 261.938,235.585 r0 top (schematic designator R5)
R331 "10k" RESC1608X55N 119.697,233.998 r0 top (schematic designator R568)
R332 "10k" RESC1608X55N 140.017,233.998 r0 top (schematic designator R568)
R333 "10k" RESC1608X55N 160.338,233.998 r0 top (schematic designator R568)
R334 "10k" RESC1608X55N 180.657,233.998 r0 top (schematic designator R568)
R335 "10k" RESC1608X55N 200.977,233.998 r0 top (schematic designator R568)
R336 "10k" RESC1608X55N 221.297,233.998 r0 top (schematic designator R568)
R337 "10k" RESC1608X55N 241.617,233.998 r0 top (schematic designator R568)
R338 "10k" RESC1608X55N 261.938,233.998 r0 top (schematic designator R568)
R339 "10k" RESC1608X55N 119.697,232.41 r0 top (schematic designator R564)
R340 "10k" RESC1608X55N 140.017,232.41 r0 top (schematic designator R564)
R341 "10k" RESC1608X55N 160.338,232.41 r0 top (schematic designator R564)
R342 "10k" RESC1608X55N 180.657,232.41 r0 top (schematic designator R564)
R343 "10k" RESC1608X55N 200.977,232.41 r0 top (schematic designator R564)
R344 "10k" RESC1608X55N 221.297,232.41 r0 top (schematic designator R564)
R345 "10k" RESC1608X55N 241.617,232.41 r0 top (schematic designator R564)
R346 "10k" RESC1608X55N 261.938,232.41 r0 top (schematic designator R564)
R347 "10k" RESC1608X55N 119.697,230.822 r0 top (schematic designator R565)
R348 "10k" RESC1608X55N 140.017,230.822 r0 top (schematic designator R565)
R349 "10k" RESC1608X55N 160.338,230.822 r0 top (schematic designator R565)
R350 "10k" RESC1608X55N 180.657,230.822 r0 top (schematic designator R565)
R351 "10k" RESC1608X55N 200.977,230.822 r0 top (schematic designator R565)
R352 "10k" RESC1608X55N 221.297,230.822 r0 top (schematic designator R565)
R353 "10k" RESC1608X55N 241.617,230.822 r0 top (schematic designator R565)
R354 "10k" RESC1608X55N 261.938,230.822 r0 top (schematic designator R565)
R355 "10k" RESC1608X55N 119.697,229.235 r0 top (schematic designator R555)
R356 "10k" RESC1608X55N 140.017,229.235 r0 top (schematic designator R555)
R357 "10k" RESC1608X55N 160.338,229.235 r0 top (schematic designator R555)
R358 "10k" RESC1608X55N 180.657,229.235 r0 top (schematic designator R555)
R359 "10k" RESC1608X55N 200.977,229.235 r0 top (schematic designator R555)
R360 "10k" RESC1608X55N 221.297,229.235 r0 top (schematic designator R555)
R361 "10k" RESC1608X55N 241.617,229.235 r0 top (schematic designator R555)
R362 "10k" RESC1608X55N 261.938,229.235 r0 top (schematic designator R555)
R363 "10k" RESC1608X55N 119.697,227.647 r0 top (schematic designator R800)
R364 "10k" RESC1608X55N 140.017,227.647 r0 top (schematic designator R800)
R365 "10k" RESC1608X55N 160.338,227.647 r0 top (schematic designator R800)
R366 "10k" RESC1608X55N 180.657,227.647 r0 top (schematic designator R800)
R367 "10k" RESC1608X55N 200.977,227.647 r0 top (schematic designator R800)
R368 "10k" RESC1608X55N 221.297,227.647 r0 top (schematic designator R800)
R369 "10k" RESC1608X55N 241.617,227.647 r0 top (schematic designator R800)
R370 "10k" RESC1608X55N 261.938,227.647 r0 top (schematic designator R800)
R371 "10k" RESC1608X55N 119.697,226.06 r0 top (schematic designator R556)
R372 "10k" RESC1608X55N 140.017,226.06 r0 top (schematic designator R556)
R373 "10k" RESC1608X55N 160.338,226.06 r0 top (schematic designator R556)
R374 "10k" RESC1608X55N 180.657,226.06 r0 top (schematic designator R556)
R375 "10k" RESC1608X55N 200.977,226.06 r0 top (schematic designator R556)
R376 "10k" RESC1608X55N 221.297,226.06 r0 top (schematic designator R556)
R377 "10k" RESC1608X55N 241.617,226.06 r0 top (schematic designator R556)
R378 "10k" RESC1608X55N 261.938,226.06 r0 top (schematic designator R556)
R379 "10k" RESC1608X55N 119.697,224.472 r0 top (schematic designator R0)
R380 "10k" RESC1608X55N 140.017,224.472 r0 top (schematic designator R0)
R381 "10k" RESC1608X55N 160.338,224.472 r0 top (schematic designator R0)
R382 "10k" RESC1608X55N 180.657,224.472 r0 top (schematic designator R0)
R383 "10k" RESC1608X55N 200.977,224.472 r0 top (schematic designator R0)
R384 "10k" RESC1608X55N 221.297,224.472 r0 top (schematic designator R0)
R385 "10k" RESC1608X55N 241.617,224.472 r0 top (schematic designator R0)
R386 "10k" RESC1608X55N 261.938,224.472 r0 top (schematic designator R0)
R387 "10k" RESC1608X55N 119.697,222.885 r0 top (schematic designator R5)
R388 "10k" RESC1608X55N 140.017,222.885 r0 top (schematic designator R5)
R389 "10k" RESC1608X55N 160.338,222.885 r0 top (schematic designator R5)
R390 "10k" RESC1608X55N 180.657,222.885 r0 top (schematic designator R5)
R391 "10k" RESC1608X55N 200.977,222.885 r0 top (schematic designator R5)
R392 "10k" RESC1608X55N 221.297,222.885 r0 top (schematic designator R5)
R393 "10k" RESC1608X55N 241.617,222.885 r0 top (schematic designator R5)
R394 "10k" RESC1608X55N 261.938,222.885 r0 top (schematic designator R5)
R395 "10k" RESC1608X55N 119.697,221.297 r0 top (schematic designator R568)
R396 "10k" RESC1608X55N 140.017,221.297 r0 top (schematic designator R568)
R397 "10k" RESC1608X55N 160.338,221.297 r0 top (schematic designator R568)
R398 "10k" RESC1608X55N 180.657,221.297 r0 top (schematic designator R568)
R399 "10k" RESC1608X55N 200.977,221.297 r0 top (schematic designator R568)
R400 "10k" RESC1608X55N 221.297,221.297 r0 top (schematic designator R568)
R401 "10k" RESC1608X55N 241.617,221.297 r0 top (schematic designator R568)
R402 "10k" RESC1608X55N 261.938,221.297 r0 top (schematic designator R568)
R403 "10k" RESC1608X55N 119.697,219.71 r0 top (schematic designator R564)
R404 "10k" RESC1608X55N 140.017,219.71 r0 top (schematic designator R564)
R405 "10k" RESC1608X55N 160.338,219.71 r0 top (schematic designator R564)
R406 "10k" RESC1608X55N 180.657,219.71 r0 top (schematic designator R564)
R407 "10k" RESC1608X55N 200.977,219.71 r0 top (schematic designator R564)
R408 "10k" RESC1608X55N 221.297,219.71 r0 top (schematic designator R564)
R409 "10k" RESC1608X55N 241.617,219.71 r0 top (schematic designator R564)
R410 "10k" RESC1608X55N 261.938,219.71 r0 top (schematic designator R564)
R411 "10k" RESC1608X55N 119.697,218.123 r0 top (schematic designator R565)
R412 "10k" RESC1608X55N 140.017,218.123 r0 top (schematic designator R565)
R413 "10k" RESC1608X55N 160.338,218.123 r0 top (schematic designator R565)
R414 "10k" RESC1608X55N 180.657,218.123 r0 top (schematic designator R565)
R415 "10k" RESC1608X55N 200.977,218.123 r0 top (schematic designator R565)
R416 "10k" RESC1608X55N 221.297,218.123 r0 top (schematic designator R565)
R417 "10k" RESC1608X55N 241.617,218.123 r0 top (schematic designator R565)
R418 "10k" RESC1608X55N 261.938,218.123 r0 top (schematic designator R565)
R419 "10k" RESC1608X55N 119.697,216.535 r0 top (schematic designator R555)
R420 "10k" RESC1608X55N 140.017,216.535 r0 top (schematic designator R555)
R421 "10k" RESC1608X55N 160.338,216.535 r0 top (schematic designator R555)
R422 "10k" RESC1608X55N 180.657,216.535 r0 top (schematic designator R555)
R423 "10k" RESC1608X55N 200.977,216.535 r0 top (schematic designator R555)
R424 "10k" RESC1608X55N 221.297,216.535 r0 top (schematic designator R555)
R425 "10k" RESC1608X55N 241.617,216.535 r0 top (schematic designator R555)
R426 "10k" RESC1608X55N 261.938,216.535 r0 top (schematic designator R555)
R427 "10k" RESC1608X55N 119.697,214.947 r0 top (schematic designator R800)
R428 "10k" RESC1608X55N 140.017,214.947 r0 top (schematic designator R800)
R429 "10k" RESC1608X55N 160.338,214.947 r0 top (schematic designator R800)
R430 "10k" RESC1608X55N 180.657,214.947 r0 top (schematic designator R800)
R431 "10k" RESC1608X55N 200.977,214.947 r0 top (schematic designator R800)
R432 "10k" RESC1608X55N 221.297,214.947 r0 top (schematic designator R800)
R433 "10k" RESC1608X55N 241.617,214.947 r0 top (schematic designator R800)
R434 "10k" RESC1608X55N 261.938,214.947 r0 top (schematic designator R800)
R435 "10k" RESC1608X55N 119.697,213.36 r0 top (schematic designator R556)
R436 "10k" RESC1608X55N 140.017,213.36 r0 top (schematic designator R556)
R437 "10k" RESC1608X55N 160.338,213.36 r0 top (schematic designator R556)
R438 "10k" RESC1608X55N 180.657,213.36 r0 top (schematic designator R556)
R439 "10k" RESC1608X55N 200.977,213.36 r0 top (schematic designator R556)
R440 "10k" RESC1608X55N 221.297,213.36 r0 top (schematic designator R556)
R441 "10k" RESC1608X55N 241.617,213.36 r0 top (schematic designator R556)
R442 "10k" RESC1608X55N 261.938,213.36 r0 top (schematic designator R556)
R443 "10k" RESC1608X55N 119.697,211.772 r0 top (schematic designator R0)
R444 "10k" RESC1608X55N 140.017,211.772 r0 top (schematic designator R0)
R445 "10k" RESC1608X55N 160.338,211.772 r0 top (schematic designator R0)
R446 "10k" RESC1608X55N 180.657,211.772 r0 top (schematic designator R0)
R447 "10k" RESC1608X55N 200.977,211.772 r0 top (schematic designator R0)
R448 "10k" RESC1608X55N 221.297,211.772 r0 top (schematic designator R0)
R449 "10k" RESC1608X55N 241.617,211.772 r0 top (schematic designator R0)
R450 "10k" RESC1608X55N 261.938,211.772 r0 top (schematic designator R0)
R451 "10k" RESC1608X55N 119.697,210.185 r0 top (schematic designator R5)
R452 "10k" RESC1608X55N 140.017,210.185 r0 top (schematic designator R5)
R453 "10k" RESC1608X55N 160.338,210.185 r0 top (schematic designator R5)
R454 "10k" RESC1608X55N 180.657,210.185 r0 top (schematic designator R5)
R455 "10k" RESC1608X55N 200.977,210.185 r0 top (schematic designator R5)
R456 "10k" RESC1608X55N 221.297,210.185 r0 top (schematic designator R5)
R457 "10k" RESC1608X55N 241.617,210.185 r0 top (schematic designator R5)
R458 "10k" RESC1608X55N 261.938,210.185 r0 top (schematic designator R5)
R459 "10k" RESC1608X55N 119.697,208.597 r0 top (schematic designator R568)
R460 "10k" RESC1608X55N 140.017,208.597 r0 top (schematic designator R568)
R461 "10k" RESC1608X55N 160.338,208.597 r0 top (schematic designator R568)
R462 "10k" RESC1608X55N 180.657,208.597 r0 top (schematic designator R568)
R463 "10k" RESC1608X55N 200.977,208.597 r0 top (schematic designator R568)
R464 "10k" RESC1608X55N 221.297,208.597 r0 top (schematic designator R568)
R465 "10k" RESC1608X55N 241.617,208.597 r0 top (schematic designator R568)
R466 "10k" RESC1608X55N 261.938,208.597 r0 top (schematic designator R568)
R467 "10k" RESC1608X55N 119.697,207.01 r0 top (schematic designator R564)
R468 "10k" RESC1608X55N 140.017,207.01 r0 top (schematic designator R564)
R469 "10k" RESC1608X55N 160.338,207.01 r0 top (schematic designator R564)
R470 "10k" RESC1608X55N 180.657,207.01 r0 top (schematic designator R564)
R471 "10k" RESC1608X55N 200.977,207.01 r0 top (schematic designator R564)
R472 "10k" RESC1608X55N 221.297,207.01 r0 top (schematic designator R564)
R473 "10k" RESC1608X55N 241.617,207.01 r0 top (schematic designator R564)
R474 "10k" RESC1608X55N 261.938,207.01 r0 top (schematic designator R564)
R475 "10k" RESC1608X55N 119.697,205.422 r0 top (schematic designator R565)
R476 "10k" RESC1608X55N 140.017,205.422 r0 top (schematic designator R565)
R477 "10k" RESC1608X55N 160.338,205.422 r0 top (schematic designator R565)